# Altium PCB SEEED ORDER METER (BOOTSTRAP).PcbDoc (part 2 of 3)
Units mm, origin at the board's own origin, x right, y up, seen from the top; angles counter-clockwise.
Board outline 150 x 100 mm, 2 copper layers (Top Layer, Bottom Layer); 267 components, 189 nets, 839 pads, 266 vias.
Unrouted connection lines stored in the file: 4.
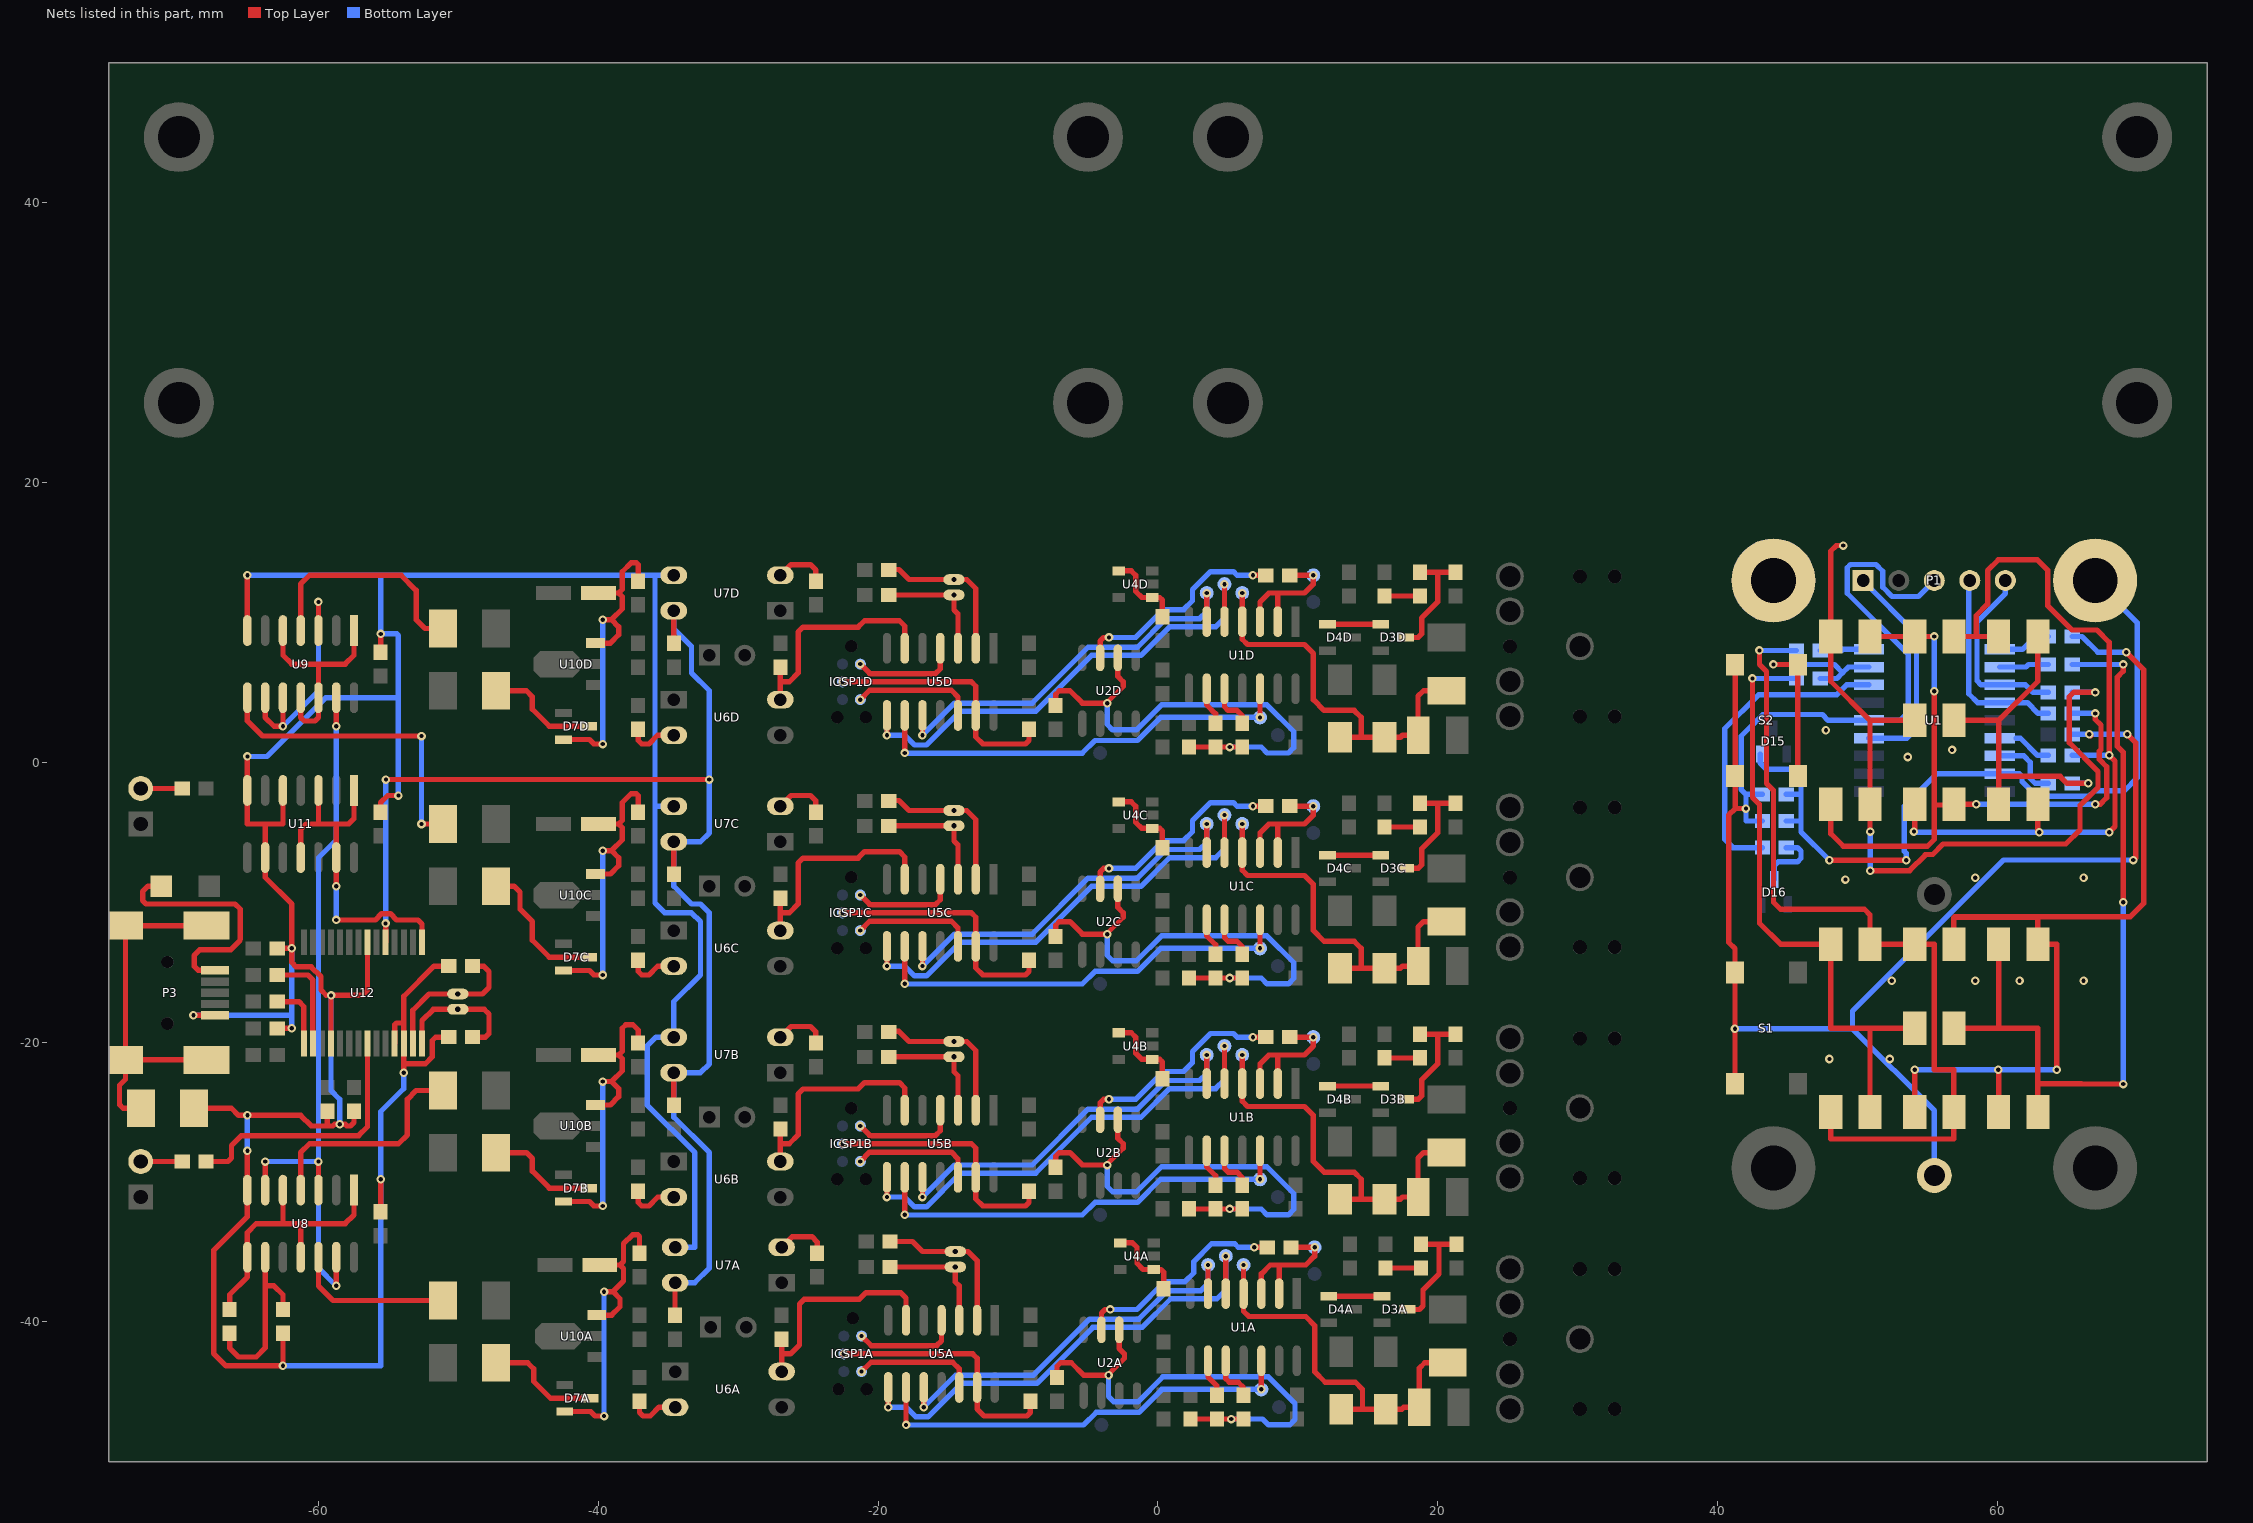
[diagram p2: the nets of this part, all layers, seen from the top]

## Via types
v1: diameter 0.61, hole 0.305, Top Layer to Bottom Layer, 266 vias

## Nets (pads, with @x,y where several pads share a name; then routed paths per layer and width w, separated by ;. In a path a pad name is that pad's centre, name@x,y a point inside that pad or via, vN(x,y) a via of type N, cw(c..) or ccw(c..) an arc to the next point about the centre after c; other vN are vias at no path point) (continued)
GND: BT1.2 C1.1 C2.2 C18.2 C19.1 C20.1 C21.1 C22.2 C23.2 C24.2 C25.2 D10.1@-62.974,-13.297 D11.1@-62.974,-19.012 L1.2 P1.3 P3.5 pad.0@44,13 R11.1 S1.1 S2.1 U1.5 U7A.3 U7B.3 U7C.3 U7D.3 U8.7 U9.7 U11.5 U11.7 U11.9 U12.7 U12.18 U12.25 U12.26 | length 404.9
  Top Layer w0.381: v1(-68.955,-18.072) P3.5@-67.409,-18.072 ; L1.2@-68.904,-24.727 -66.237,-24.727 -65.729,-25.235 v1(-65.094,-25.235) -61.284,-25.235 -60.522,-25.997 -59.379,-25.997 ; v1(-65.094,-27.775) U8.7@-65.094,-30.582 -65.094,-32.474 -67.507,-34.887 -67.507,-42.253 -66.618,-43.142 v1(-62.554,-43.142) C18.2@-62.554,-40.817 ; v1(-65.094,0.419) U11.7@-65.094,-2.007 -65.094,-4.407 -63.824,-4.407 ; U9.7@-65.094,9.423 v1(-65.094,13.373) ; D11.1@-62.974,-19.012 v1(-61.919,-19.012) ; D10.1@-62.974,-13.297 v1(-61.919,-13.297) ; U11.5@-62.554,-2.007 -62.554,-4.407 -63.824,-4.407 ; -59.458,-16.65 -59.83,-16.278 -59.83,-15.322 -60.534,-14.618 -61.614,-14.618 -61.919,-14.313 v1(-61.919,-13.297) ; C23.2@-59.379,-24.942 -59.379,-25.997 ; U12.18@-59.114,-20.097 v1(-59.114,-16.661) -59.103,-16.65 -56.839,-16.65 -56.514,-16.325 U12.7@-56.514,-12.847 ; C22.2@-57.474,-24.942 -57.474,-25.743 -57.728,-25.997 -57.982,-25.997 -58.109,-25.87 v1(-58.49,-25.87) -58.871,-25.87 -58.998,-25.997 -59.379,-25.997 ; C20.1@-55.569,-32.132 v1(-55.569,-29.807) ; C19.1@-55.569,-3.557 -55.569,-2.883 -55.061,-2.375 v1(-54.299,-2.375) ; C21.1@-55.569,7.873 v1(-55.569,9.182) ; U12.25@-54.564,-20.097 -54.564,-18.769 -54.426,-18.631 -53.914,-18.631 ; v1(-53.918,-22.187) -53.918,-20.101 U12.26@-53.914,-20.097 -53.914,-18.631 ; -53.791,-21.552 -52.382,-21.552 -51.886,-21.056 -51.886,-19.901 -51.632,-19.647 C24.2@-50.704,-19.647 ; C25.2@-50.704,-14.567 -51.759,-14.567 -53.914,-16.722 -53.914,-18.631 ; S1.1@41.25,-22.975 v1(41.25,-19.049) S1.1@41.25,-15.025 41.25,-13.308 40.801,-12.86 40.801,-3.776 41.276,-3.301 ; S2.1@41.25,6.975 41.276,6.949 41.276,-3.301 ; v1(42.038,-3.301) 41.276,-3.301 ; v1(66.582,2) v1@66.676,1.906 ; v1(69.301,2) 69.895,1.406 69.895,-6.813 v1(69.724,-6.984) ; -63.824,-4.407 U11.9@-63.824,-6.807 -63.824,-8.217 -61.919,-10.122 v1(-61.919,-13.297)
  Bottom Layer w0.381: v1(-68.955,-18.072) -61.97,-18.072 -61.919,-18.123 ; v1(-65.094,-27.775) v1(-65.094,-25.235) ; v1(-65.094,0.419) -63.697,0.419 -59.506,4.61 -54.299,4.61 ; v1(-65.094,13.373) -55.569,13.373 ; v1(-62.554,-43.142) -55.569,-43.142 v1(-55.569,-29.807) -55.569,-24.981 -53.918,-23.33 v1(-53.918,-22.187) ; v1(-61.919,-19.012) -61.919,-18.123 ; v1(-61.919,-13.297) -61.919,-18.123 ; v1(-59.114,-16.661) -59.114,-23.468 -58.49,-24.092 v1(-58.49,-25.87) ; v1(-54.299,-2.375) -54.299,4.61 ; U7C.3@-34.614,-3.137 -35.96,-3.137 ; U7D.3@-34.614,13.373 -35.884,13.373 ; U7A.3@-34.52,-34.666 -33.105,-34.666 -33.105,-27.902 -36.519,-24.488 -36.519,-20.282 -35.884,-19.647 U7B.3@-34.614,-19.647 -34.614,-17.107 -32.709,-15.202 -32.709,-11.392 -33.344,-10.757 -35.249,-10.757 -35.96,-10.046 -35.96,-3.137 ; v1(41.25,-19.049) 49.658,-19.049 ; R11.1@43.22,-4.19 42.038,-4.19 v1(42.038,-3.301) 42.038,-2.285 ; C2.2@43.22,-2.285 42.038,-2.285 ; BT1.2@55.5,-29.535 55.5,-24.891 49.658,-19.049 ; P1.3@55.5,13 54.356,11.856 52.486,11.856 51.816,12.526 51.816,13.66 51.333,14.144 49.507,14.144 49.276,13.913 49.276,12.087 53.646,7.717 53.646,3.608 53.038,3 U1.5@50.825,3 47.915,3 47.499,3.416 43.242,3.416 41.689,1.863 41.689,-1.936 42.038,-2.285 ; C1.1@65.35,2 v1(66.582,2) v1(69.301,2) ; v1(69.724,-6.984) 60.453,-6.984 49.658,-17.779 49.658,-19.049 ; -55.569,13.373 v1(-55.569,9.182) -54.426,9.182 -54.299,9.055 -54.299,4.61 ; -55.569,13.373 -35.884,13.373 ; -35.96,-3.137 -35.96,13.297 -35.884,13.373
  other v1: 48.007,-21.208 52.325,-21.208 52.452,-15.62 58.421,-15.62 61.596,-15.62 66.168,-15.62 49.15,-8.381 58.421,-8.254 66.168,-8.254 53.595,0.382 56.77,0.89 47.753,2.287
I_SAMPLEA: D1A.1 D2A.2 F1A.2 R7A.2 TP4A.1 U1A.4 | length 28.1
  Top Layer w0.381: v1(6.12,-35.936) U1A.4@6.12,-37.981 6.12,-39.238 6.501,-39.619 10.565,-39.619 11.2,-40.254 11.2,-43.556 11.962,-44.318 14.121,-44.318 14.629,-44.826 14.629,-46.248 ; D2A.2@13.105,-46.248 14.629,-46.248 ; R7A.2@20.725,-42.921 19.074,-42.921 18.69,-43.305 F1A.2@18.69,-46.096 17.575,-46.096 17.423,-46.248 D1A.1@16.28,-46.248 14.629,-46.248
I_SAMPLEB: D1B.1 D2B.2 F1B.2 R7B.2 TP4B.1 U1B.4 | length 28.1
  Top Layer w0.381: v1(6.026,-20.917) U1B.4@6.026,-22.962 6.026,-24.219 6.407,-24.6 10.471,-24.6 11.106,-25.235 11.106,-28.537 11.868,-29.299 14.027,-29.299 14.535,-29.807 14.535,-31.229 ; D2B.2@13.011,-31.229 14.535,-31.229 ; R7B.2@20.631,-27.902 18.98,-27.902 18.596,-28.286 F1B.2@18.596,-31.077 17.481,-31.077 17.329,-31.229 D1B.1@16.186,-31.229 14.535,-31.229
I_SAMPLEC: D1C.1 D2C.2 F1C.2 R7C.2 TP4C.1 U1C.4 | length 28.1
  Top Layer w0.381: v1(6.026,-4.407) U1C.4@6.026,-6.452 6.026,-7.709 6.407,-8.09 10.471,-8.09 11.106,-8.725 11.106,-12.027 11.868,-12.789 14.027,-12.789 14.535,-13.297 14.535,-14.719 ; D2C.2@13.011,-14.719 14.535,-14.719 ; R7C.2@20.631,-11.392 18.98,-11.392 18.596,-11.776 F1C.2@18.596,-14.567 17.481,-14.567 17.329,-14.719 D1C.1@16.186,-14.719 14.535,-14.719
I_SAMPLED: D1D.1 D2D.2 F1D.2 R7D.2 TP4D.1 U1D.4 | length 28.1
  Top Layer w0.381: v1(6.026,12.103) U1D.4@6.026,10.058 6.026,8.801 6.407,8.42 10.471,8.42 11.106,7.785 11.106,4.483 11.868,3.721 14.027,3.721 14.535,3.213 14.535,1.791 ; D2D.2@13.011,1.791 14.535,1.791 ; R7D.2@20.631,5.118 18.98,5.118 18.596,4.734 F1D.2@18.596,1.943 17.481,1.943 17.329,1.791 D1D.1@16.186,1.791 14.535,1.791
I_SELECT1: TP3A.1 U1A.5 U5A.8 | length 34.5
  Top Layer w0.381: v1(-19.28,-46.096) U5A.8@-19.28,-44.826 ; U1A.5@4.85,-37.981 v1(4.85,-35.301)
  Bottom Layer w0.381: v1(-19.28,-46.096) -18.01,-46.096 -17.311,-46.794 -16.451,-46.794 -14.05,-44.394 -8.652,-44.394 -4.652,-40.394 -1.13,-40.394 0.914,-38.349 4.215,-38.349 4.85,-37.714 v1(4.85,-35.301)
I_SELECT2: TP3B.1 U1B.5 U5B.8 | length 34.5
  Top Layer w0.381: v1(-19.374,-31.077) U5B.8@-19.374,-29.807 ; U1B.5@4.756,-22.962 v1(4.756,-20.282)
  Bottom Layer w0.381: v1(-19.374,-31.077) -18.104,-31.077 -17.405,-31.775 -16.545,-31.775 -14.144,-29.375 -8.746,-29.375 -4.746,-25.375 -1.224,-25.375 0.82,-23.33 4.121,-23.33 4.756,-22.695 v1(4.756,-20.282)
I_SELECT3: TP3C.1 U1C.5 U5C.8 | length 34.5
  Top Layer w0.381: v1(-19.374,-14.567) U5C.8@-19.374,-13.297 ; U1C.5@4.756,-6.452 v1(4.756,-3.772)
  Bottom Layer w0.381: v1(-19.374,-14.567) -18.104,-14.567 -17.405,-15.265 -16.545,-15.265 -14.144,-12.865 -8.746,-12.865 -4.746,-8.865 -1.224,-8.865 0.82,-6.82 4.121,-6.82 4.756,-6.185 v1(4.756,-3.772)
I_SELECT4: TP3D.1 U1D.5 U5D.8 | length 34.5
  Top Layer w0.381: v1(-19.374,1.943) U5D.8@-19.374,3.213 ; U1D.5@4.756,10.058 v1(4.756,12.738)
  Bottom Layer w0.381: v1(-19.374,1.943) -18.104,1.943 -17.405,1.245 -16.545,1.245 -14.144,3.645 -8.746,3.645 -4.746,7.645 -1.224,7.645 0.82,9.69 4.121,9.69 4.756,10.325 v1(4.756,12.738)
ICSP_CLCKA: ICSP1A.5 U5A.12 | length 8.8
  Top Layer w0.381: v1(-21.185,-43.556) -20.517,-42.888 -14.675,-42.888 -14.2,-43.363 U5A.12@-14.2,-44.686
ICSP_CLCKB: ICSP1B.5 U5B.12 | length 8.8
  Top Layer w0.381: v1(-21.279,-28.537) -20.611,-27.869 -14.769,-27.869 -14.294,-28.344 U5B.12@-14.294,-29.667
ICSP_CLCKC: ICSP1C.5 U5C.12 | length 8.8
  Top Layer w0.381: v1(-21.279,-12.027) -20.611,-11.359 -14.769,-11.359 -14.294,-11.834 U5C.12@-14.294,-13.157
ICSP_CLCKD: ICSP1D.5 U5D.12 | length 8.8
  Top Layer w0.381: v1(-21.279,4.483) -20.611,5.151 -14.769,5.151 -14.294,4.676 U5D.12@-14.294,3.353
ICSP_DATAA: ICSP1A.4 R17A.2 U5A.13 | length 18.2
  Top Layer w0.381: v1(-22.455,-42.286) -13.245,-42.286 -12.93,-42.601 U5A.13@-12.93,-44.686 -12.93,-46.223 -12.422,-46.731 -9.374,-46.731 -9.12,-46.477 R17A.2@-9.12,-45.676
ICSP_DATAB: ICSP1B.4 R17B.2 U5B.13 | length 18.2
  Top Layer w0.381: v1(-22.549,-27.267) -13.339,-27.267 -13.024,-27.582 U5B.13@-13.024,-29.667 -13.024,-31.204 -12.516,-31.712 -9.468,-31.712 -9.214,-31.458 R17B.2@-9.214,-30.657
ICSP_DATAC: ICSP1C.4 R17C.2 U5C.13 | length 18.2
  Top Layer w0.381: v1(-22.549,-10.757) -13.339,-10.757 -13.024,-11.072 -13.024,-12.027 U5C.13@-13.024,-13.157 -13.024,-14.694 -12.516,-15.202 -9.468,-15.202 -9.214,-14.948 R17C.2@-9.214,-14.147
ICSP_DATAD: ICSP1D.4 R17D.2 U5D.13 | length 18.2
  Top Layer w0.381: v1(-22.549,5.753) -13.339,5.753 -13.024,5.438 -13.024,4.483 U5D.13@-13.024,3.353 -13.024,1.816 -12.516,1.308 -9.468,1.308 -9.214,1.562 R17D.2@-9.214,2.363
ICSP_VPP: P1.1 U1.4 | length 15.9
  Bottom Layer w0.381: P1.1@50.42,13 50.42,12.955 54.23,9.145 54.23,2.414 53.546,1.73 U1.4@50.825,1.73
ICSP_VPPA: ICSP1A.1 U5A.4 | length 7.6
  Top Layer w0.381: v1(-21.185,-41.016) -20.499,-41.702 -15.818,-41.702 -15.47,-41.354 U5A.4@-15.47,-39.886
ICSP_VPPB: ICSP1B.1 U5B.4 | length 7.6
  Top Layer w0.381: v1(-21.279,-25.997) -20.593,-26.683 -15.912,-26.683 -15.564,-26.335 U5B.4@-15.564,-24.867
ICSP_VPPC: ICSP1C.1 U5C.4 | length 7.6
  Top Layer w0.381: v1(-21.279,-9.487) -20.593,-10.173 -15.912,-10.173 -15.564,-9.825 U5C.4@-15.564,-8.357
ICSP_VPPD: ICSP1D.1 U5D.4 | length 7.6
  Top Layer w0.381: v1(-21.279,7.023) -20.593,6.337 -15.912,6.337 -15.564,6.685 U5D.4@-15.564,8.153
K_010A: TP1A.1 U1A.6 U5A.10 | length 28.6
  Top Layer w0.381: v1(-16.74,-46.096) U5A.10@-16.74,-44.826 ; U1A.6@3.58,-37.981 v1(3.58,-35.936)
  Bottom Layer w0.381: v1(-16.74,-46.096) -14.454,-43.81 -8.894,-43.81 -4.894,-39.809 -1.372,-39.809 0.672,-37.765 3.072,-37.765 3.58,-37.257 v1(3.58,-35.936)
K_010B: TP1B.1 U1B.6 U5B.10 | length 28.6
  Top Layer w0.381: v1(-16.834,-31.077) U5B.10@-16.834,-29.807 ; U1B.6@3.486,-22.962 v1(3.486,-20.917)
  Bottom Layer w0.381: v1(-16.834,-31.077) -14.548,-28.791 -8.988,-28.791 -4.988,-24.79 -1.466,-24.79 0.578,-22.746 2.978,-22.746 3.486,-22.238 v1(3.486,-20.917)
K_010C: TP1C.1 U1C.6 U5C.10 | length 28.6
  Top Layer w0.381: v1(-16.834,-14.567) U5C.10@-16.834,-13.297 ; U1C.6@3.486,-6.452 v1(3.486,-4.407)
  Bottom Layer w0.381: v1(-16.834,-14.567) -14.548,-12.281 -8.988,-12.281 -4.988,-8.28 -1.466,-8.28 0.578,-6.236 2.978,-6.236 3.486,-5.728 v1(3.486,-4.407)
K_010D: TP1D.1 U1D.6 U5D.10 | length 28.6
  Top Layer w0.381: v1(-16.834,1.943) U5D.10@-16.834,3.213 ; U1D.6@3.486,10.058 v1(3.486,12.103)
  Bottom Layer w0.381: v1(-16.834,1.943) -14.548,4.229 -8.988,4.229 -4.988,8.23 -1.466,8.23 0.578,10.274 2.978,10.274 3.486,10.782 v1(3.486,12.103)
K_100A: TP2A.1 U1A.12 U5A.9 | length 31
  Top Layer w0.381: v1(-18.01,-47.366) U5A.9@-18.01,-44.826 ; v1(7.39,-44.826) U1A.12@7.39,-42.781
  Bottom Layer w0.381: v1(-18.01,-47.366) -17.997,-47.379 -5.317,-47.379 -4.41,-46.472 -1.368,-46.472 0.278,-44.826 v1(7.39,-44.826)
K_100B: TP2B.1 U1B.12 U5B.9 | length 31
  Top Layer w0.381: v1(-18.104,-32.347) U5B.9@-18.104,-29.807 ; v1(7.296,-29.807) U1B.12@7.296,-27.762
  Bottom Layer w0.381: v1(-18.104,-32.347) -18.091,-32.36 -5.411,-32.36 -4.504,-31.453 -1.462,-31.453 0.184,-29.807 v1(7.296,-29.807)
K_100C: TP2C.1 U1C.12 U5C.9 | length 31
  Top Layer w0.381: v1(-18.104,-15.837) U5C.9@-18.104,-13.297 ; v1(7.296,-13.297) U1C.12@7.296,-11.252
  Bottom Layer w0.381: v1(-18.104,-15.837) -18.091,-15.85 -5.411,-15.85 -4.504,-14.943 -1.462,-14.943 0.184,-13.297 v1(7.296,-13.297)
K_100D: TP2D.1 U1D.12 U5D.9 | length 31
  Top Layer w0.381: v1(-18.104,0.673) U5D.9@-18.104,3.213 ; v1(7.296,3.213) U1D.12@7.296,5.258
  Bottom Layer w0.381: v1(-18.104,0.673) -18.091,0.66 -5.411,0.66 -4.504,1.567 -1.462,1.567 0.184,3.213 v1(7.296,3.213)
LED_0: R1.1 S2.2 U1.8 | length 18.7
  Top Layer w0.381: v1(44,7) S2.2@45.725,7 ; S2.2@45.75,-0.975 S2.2@45.75,6.975
  Bottom Layer w0.381: v1(44,7) 48.355,7 48.95,6.405 ; R1.1@47.35,6 48.545,6 48.95,6.405 ; U1.8@50.825,6.81 49.355,6.81 48.95,6.405
LED_1: R2.1 U1.9 | length 3.5
  Bottom Layer w0.381: R2.1@47.35,8 48.894,8 48.974,8.08 U1.9@50.825,8.08
LED_2: R3.1 U1.10 | length 3.9
  Bottom Layer w0.381: U1.10@60.175,8.08 61.801,8.08 62.721,9 R3.1@63.65,9
LED_3: R4.1 U1.11 | length 3.6
  Bottom Layer w0.381: U1.11@60.175,6.81 62.055,6.81 62.245,7 R4.1@63.65,7
LED_4: P1.5 R5.1 U1.12 | length 13.4
  Bottom Layer w0.381: P1.5@60.58,13 60.58,12.066 58.548,10.034 58.548,5.843 58.851,5.54 U1.12@60.175,5.54 62.026,5.54 62.566,5 R5.1@63.65,5
LED_5: P1.4 R6.1 U1.13 | length 14.4
  Bottom Layer w0.381: P1.4@58.04,13 57.964,12.924 57.964,4.903 58.597,4.27 U1.13@60.175,4.27 62.153,4.27 62.923,3.5 R6.1@63.65,3.5
NetC3_1: C3.1 D16.3 | length 4.8
  Bottom Layer w0.381: D16.3@44.07,-8.37 44.07,-7.365 44.324,-7.111 45.721,-7.111 45.975,-6.857 45.975,-6.349 45.721,-6.095 C3.1@44.92,-6.095
NetC10A_2: C10A.2 D7A.3 | length 7.6
  Top Layer w0.381: C10A.2@-46.585,-42.921 -45.061,-42.921 -44.629,-43.353 -44.629,-44.245 -43.413,-45.461 D7A.3@-40.605,-45.461
NetC10B_2: C10B.2 D7B.3 | length 7.6
  Top Layer w0.381: C10B.2@-46.679,-27.902 -45.155,-27.902 -44.723,-28.334 -44.723,-29.226 -43.507,-30.442 D7B.3@-40.699,-30.442
NetC10C_2: C10C.2 D7C.3 | length 10.2
  Top Layer w0.381: C10C.2@-47.314,-8.852 -46.044,-8.852 -45.612,-9.284 -45.612,-10.491 -44.723,-11.38 -44.723,-12.716 -43.507,-13.932 D7C.3@-40.699,-13.932
NetC10D_2: C10D.2 D7D.3 | length 7.6
  Top Layer w0.381: C10D.2@-46.679,5.118 -45.155,5.118 -44.723,4.686 -44.723,3.794 -43.507,2.578 D7D.3@-40.699,2.578
NetC11A_1: C11A.1 C12A.2 D7A.2 U10A.1 | length 23.7
  Top Layer w0.381: D7A.2@-42.405,-46.411 -40.555,-46.411 -40.235,-46.731 v1(-39.6,-46.731) ; U10A.1@-40.117,-39.516 -39.053,-39.516 -38.457,-38.92 -38.457,-38.349 -38.965,-37.841 ; C11A.1@-39.905,-35.936 -38.457,-35.936 ; v1(-39.6,-37.841) -38.965,-37.841 ; C12A.2@-37.06,-35.086 -37.06,-33.904 -37.187,-33.777 -37.568,-33.777 -38.203,-34.412 -38.203,-35.682 -38.457,-35.936 ; -38.965,-37.841 -38.203,-37.079 -38.203,-36.19 -38.457,-35.936
  Bottom Layer w0.381: v1(-39.6,-46.731) v1(-39.6,-37.841)
NetC11B_1: C11B.1 C12B.2 D7B.2 U10B.1 | length 33.1
  Top Layer w0.381: D7B.2@-42.499,-31.392 -40.649,-31.392 ; U10B.1@-40.211,-24.497 -39.147,-24.497 -38.551,-23.901 -38.551,-23.33 -39.059,-22.822 ; C11B.1@-39.999,-20.917 -38.551,-20.917 ; v1(-39.694,-31.712) -40.329,-31.712 ; v1(-39.694,-22.822) -39.059,-22.822 ; C12B.2@-37.154,-20.067 -37.154,-19.139 -37.535,-18.758 -38.043,-18.758 -38.297,-19.012 -38.297,-20.663 -38.551,-20.917 ; -40.649,-31.392 -40.329,-31.712 ; -40.649,-31.392 -40.329,-31.712 ; -39.059,-22.822 -38.297,-22.06 -38.297,-21.171 -38.551,-20.917
  Bottom Layer w0.381: v1(-39.694,-31.712) v1(-39.694,-22.822) v1(-39.694,-31.712)
  other v1: -39.694,-31.712 -39.694,-22.822
NetC11C_1: C11C.1 C12C.2 D7C.2 U10C.1 | length 33
  Top Layer w0.381: D7C.2@-42.499,-14.882 -40.649,-14.882 ; U10C.1@-40.211,-7.987 -39.147,-7.987 -38.551,-7.391 -38.551,-6.82 -39.059,-6.312 ; C11C.1@-39.999,-4.407 -38.551,-4.407 ; v1(-39.694,-15.202) -40.329,-15.202 ; v1(-39.694,-6.312) -39.059,-6.312 ; C12C.2@-37.154,-3.557 -37.154,-2.375 -37.281,-2.248 -37.662,-2.248 -38.297,-2.883 -38.297,-4.153 -38.551,-4.407 ; -40.649,-14.882 -40.329,-15.202 ; -40.649,-14.882 -40.329,-15.202 ; -39.059,-6.312 -38.297,-5.55 -38.297,-4.661 -38.551,-4.407
  Bottom Layer w0.381: v1(-39.694,-15.202) v1(-39.694,-6.312) v1(-39.694,-15.202)
  other v1: -39.694,-15.202 -39.694,-6.312
NetC11D_1: C11D.1 C12D.2 D7D.2 U10D.1 | length 23.7
  Top Layer w0.381: D7D.2@-42.499,1.628 -40.649,1.628 -40.329,1.308 v1(-39.694,1.308) ; U10D.1@-40.211,8.523 -39.147,8.523 -38.551,9.119 -38.551,9.69 -39.059,10.198 ; C11D.1@-39.999,12.103 -38.551,12.103 ; v1(-39.694,10.198) -39.059,10.198 ; C12D.2@-37.154,12.953 -37.154,14.135 -37.281,14.262 -37.662,14.262 -38.297,13.627 -38.297,12.357 -38.551,12.103 ; -39.059,10.198 -38.297,10.96 -38.297,11.849 -38.551,12.103
  Bottom Layer w0.381: v1(-39.694,1.308) v1(-39.694,10.198)
NetC18_1: C18.1 R23.2 U8.9 | length 13.2
  Top Layer w0.381: R23.2@-66.364,-40.817 -66.364,-41.872 -65.729,-42.507 -64.459,-42.507 -63.824,-41.872 -63.824,-37.427 ; U8.9@-63.824,-35.382 -63.824,-37.427 ; C18.1@-62.554,-39.117 -62.554,-38.062 -63.189,-37.427 -63.824,-37.427
NetC24_1: C24.1 U12.28 Y2.2 | length 9.6
  Top Layer w0.381: U12.28@-52.614,-20.097 -52.614,-18.47 -51.801,-17.657 Y2.2@-50.049,-17.657 -48.161,-17.657 -47.822,-17.996 -47.822,-19.393 -48.076,-19.647 C24.1@-49.004,-19.647
NetC25_1: C25.1 U12.27 Y2.1 | length 11
  Top Layer w0.381: U12.27@-53.264,-20.097 -53.264,-17.723 -52.098,-16.557 Y2.1@-50.049,-16.557 -48.288,-16.557 -47.822,-16.091 -47.822,-14.948 -48.203,-14.567 C25.1@-49.004,-14.567
NetD1_1: D1.1 D2.2 D4.2 D5.1 R2.2 | length 61.1
  Top Layer w0.381: v1(43,8) 43,7 43.5,6.5 43.5,-1.5 44,-2 44,-10 44.5,-10.5 50.5,-10.5 50.9,-10.9 D1.1@50.9,-13 D4.2@54.1,-13 55.5,-13 55.5,-21.97 56.9,-21.97 D5.1@56.9,-25 56.897,-25 56.897,-26.923 48.1,-26.923 D2.2@48.1,-25
  Bottom Layer w0.381: v1(43,8) R2.2@45.65,8
NetD1_2: D1.2 D2.1 D3.2 R1.2 | length 44.6
  Top Layer w0.381: v1(42.5,6) 42.5,-2.5 43,-3 43,-11.5 44.5,-13 D1.2@48.1,-13 48.1,-19 50.9,-19 ; D2.1@50.9,-25 50.9,-19 ; D3.2@54.1,-19 50.9,-19
  Bottom Layer w0.381: v1(42.5,6) R1.2@45.65,6
NetD3_1: D3.1 D6.1 D7.2 R4.2 | length 58.1
  Top Layer w0.381: D3.1@56.9,-19 60.1,-19 ; D7.2@60.1,-13 60.1,-19 ; D6.1@62.9,-25 62.9,-22.986 ; v1(69,-23) 66.014,-23 66,-22.986 62.9,-22.986 ; v1(69,-10) 69,0.728 68.584,1.144 68.584,6.097 69,6.513 v1(69,7) ; 60.1,-19 62.9,-19 62.9,-22.986
  Bottom Layer w0.381: R4.2@65.35,7 v1(69,7) ; v1(69,-23) v1(69,-10)
NetD3A_1: D3A.1 D4A.1 | length 3.8
  Top Layer w0.381: D4A.1@12.205,-38.161 D3A.1@16.015,-38.161
NetD3A_2: D3A.3 R6A.2 R8A.1 | length 8.7
  Top Layer w0.381: D3A.3@17.815,-39.111 18.693,-39.111 18.947,-38.857 18.947,-37.714 20.09,-36.571 20.09,-34.451 ; R8A.1@18.82,-34.451 20.09,-34.451 ; R6A.2@21.36,-34.451 20.09,-34.451
NetD3B_1: D3B.1 D4B.1 | length 3.8
  Top Layer w0.381: D4B.1@12.111,-23.142 D3B.1@15.921,-23.142
NetD3B_2: D3B.3 R6B.2 R8B.1 | length 8.7
  Top Layer w0.381: D3B.3@17.721,-24.092 18.599,-24.092 18.853,-23.838 18.853,-22.695 19.996,-21.552 19.996,-19.432 ; R8B.1@18.726,-19.432 19.996,-19.432 ; R6B.2@21.266,-19.432 19.996,-19.432
NetD3C_1: D3C.1 D4C.1 | length 3.8
  Top Layer w0.381: D4C.1@12.111,-6.632 D3C.1@15.921,-6.632
NetD3C_2: D3C.3 R6C.2 R8C.1 | length 8.7
  Top Layer w0.381: D3C.3@17.721,-7.582 18.599,-7.582 18.853,-7.328 18.853,-6.185 19.996,-5.042 19.996,-2.922 ; R8C.1@18.726,-2.922 19.996,-2.922 ; R6C.2@21.266,-2.922 19.996,-2.922
NetD3D_1: D3D.1 D4D.1 | length 3.8
  Top Layer w0.381: D4D.1@12.111,9.878 D3D.1@15.921,9.878
NetD3D_2: D3D.3 R6D.2 R8D.1 | length 8.7
  Top Layer w0.381: D3D.3@17.721,8.928 18.599,8.928 18.853,9.182 18.853,10.325 19.996,11.468 19.996,13.588 ; R8D.1@18.726,13.588 19.996,13.588 ; R6D.2@21.266,13.588 19.996,13.588
NetD4_1: D4.1 D5.2 D6.2 D7.1 R3.2 | length 73.2
  Top Layer w0.381: D5.2@54.1,-25 54.1,-21.97 v1(54.103,-21.97) ; D4.1@56.9,-13 56.9,-11.094 ; v1(60.072,-21.97) 60.1,-21.97 D6.2@60.1,-25 ; v1(64.263,-21.97) 64.263,-13 D7.1@62.9,-13 62.9,-11.094 56.9,-11.094 ; v1(69.216,7.875) 70.479,6.612 70.479,-10.069 69.5,-11.048 56.946,-11.048 56.9,-11.094
  Bottom Layer w0.381: v1(54.103,-21.97) v1(60.072,-21.97) v1(64.263,-21.97) ; R3.2@65.35,9 66.059,9 67.184,7.875 v1(69.216,7.875)
NetD8_1: D8.1@50.9,9 D9.2@48.1,-3 D11.2@54.1,9 D12.1 R6.2 | length 49.8
  Top Layer w0.381: D9.2@48.1,-3 48.1,-5.1 49,-6 55,-6 55.5,-5.5 55.5,-3.047 ; D8.1@50.9,9 D11.2@54.1,9 v1(55.5,9) ; v1(55.5,5.081) 55.5,-3.047 ; v1(58.5,-3) D12.1@56.9,-3 56.853,-3.047 55.5,-3.047 ; v1(67,-3) 67.358,-3 67.832,-2.526 67.832,-0.319 67.301,0.211 67.301,0.789 67.416,0.904 67.416,2.668 67,3.084 v1(67,3.5)
  Bottom Layer w0.381: v1(55.5,5.081) v1(55.5,9) ; v1(58.5,-3) v1(67,-3) ; R6.2@65.35,3.5 v1(67,3.5)
NetD8_2: D8.2 D9.1@50.9,-3 D10.2@54.1,3 R5.2 R24.2 | length 62
  Top Layer w0.381: D8.2@-72.721,-28.539 R24.2@-69.756,-28.539 ; v1(49,15.5) 48.5,15.5 48.1,15.1 D8.2@48.1,9 48.1,5.8 50.9,3 ; v1(50.928,-7.746) 53.742,-7.746 54.865,-6.623 54.865,-6.584 55.392,-6.584 56.135,-5.841 64.898,-5.841 65.914,-4.825 65.914,-3.074 67.198,-1.789 67.198,-0.649 65.152,1.398 65.152,4.7 65.452,5 v1(67,5) ; v1(50.928,-4.952) 50.9,-4.924 D9.1@50.9,-3 50.9,3 ; D10.2@54.1,3 50.9,3
  Bottom Layer w0.381: v1(50.928,-7.746) v1(50.928,-4.952) ; R5.2@65.35,5 v1(67,5)
NetD9_2: D9.2@-72.721,-1.869 R27.2 | length 3
  Top Layer w0.381: D9.2@-72.721,-1.869 -69.756,-1.869 R27.2@-69.754,-1.867
NetD10_1: D10.1@56.9,3 D13.1 D14.2 R8.2 | length 24.1
  Top Layer w0.381: D10.1@56.9,3 60.1,3 ; D14.2@60.1,-3 60.1,-1 ; D13.1@62.9,9 62.9,5.8 60.1,3 ; v1(66.5,-1.5) 65,-1.5 64.5,-1 60.1,-1 ; 60.1,-1 60.1,3
  Bottom Layer w0.381: R8.2@65.35,-1.5 v1(66.5,-1.5)
NetD11_1: D11.1@56.9,9 D12.2 D13.2 D14.1 R7.2 | length 55.8
  Top Layer w0.381: v1(54.048,-4.952) 54.103,-4.952 54.103,-3 D12.2@54.1,-3 ; D11.1@56.9,9 58.5,9 ; D13.2@60.1,9 58.5,9 ; v1@62.9,-4.952 D14.1@62.9,-3 ; v1(68,-5) 68.416,-4.584 68.416,0.084 v1(68,0.5) 68,8.583 67.12,9.462 65.342,9.462 63.606,11.199 63.606,13.739 62.866,14.479 60.072,14.479 59.31,13.717 59.31,11.31 58.5,10.5 58.5,9
  Bottom Layer w0.381: v1(54.048,-4.952) 54,-5 v1(63,-5) v1(68,-5) ; R7.2@65.35,0.5 v1(68,0.5)
NetF2_1: F2.1 P3.1 | length 17.7
  Top Layer w0.381: F2.1@-71.253,-8.852 -72.206,-8.852 -72.587,-9.233 -72.587,-9.868 -72.333,-10.122 -65.983,-10.122 -65.602,-10.503 -65.602,-12.603 -65.618,-12.618 -65.618,-12.741 -66.269,-13.392 -68.491,-13.392 -68.904,-13.805 -68.904,-14.567 -68.599,-14.872 P3.1@-67.409,-14.872
NetL1_1: L1.1 P3.0 | length 26.2
  Top Layer w0.381: L1.1@-72.714,-24.727 -73.984,-24.727 -74.238,-24.473 -74.238,-23.087 -73.809,-22.658 P3.0@-73.809,-21.272 ; P3.0@-68.009,-21.272 P3.0@-73.809,-21.272 ; P3.0@-68.009,-11.672 P3.0@-73.809,-11.672 P3.0@-73.809,-21.272
NetR1A_2: R1A.2 R2A.2 R3A.2 R4A.1 U2A.2 | length 35.2
  Top Layer w0.381: R4A.1@-7.215,-43.976 -7.215,-43.175 -6.961,-42.921 -6.199,-42.921 -5.31,-43.81 v1(-3.532,-43.81) -3.532,-43.746 -2.389,-42.603 -2.389,-42.286 -2.77,-41.905 U2A.2@-2.77,-40.571 ; R1A.2@2.31,-46.946 v1(5.231,-46.946) R3A.2@6.12,-46.946
  Bottom Layer w0.381: v1(-3.532,-43.81) -3.532,-45.334 -3.151,-45.715 -1.437,-45.715 0.346,-43.932 7.893,-43.932 9.803,-45.842 9.803,-46.985 9.422,-47.366 7.898,-47.366 7.478,-46.946 v1(5.231,-46.946)
NetR1B_2: R1B.2 R2B.2 R3B.2 R4B.1 U2B.2 | length 35.2
  Top Layer w0.381: R4B.1@-7.309,-28.957 -7.309,-28.156 -7.055,-27.902 -6.293,-27.902 -5.404,-28.791 v1(-3.626,-28.791) -3.626,-28.727 -2.483,-27.584 -2.483,-27.267 -2.864,-26.886 U2B.2@-2.864,-25.552 ; R1B.2@2.216,-31.927 v1(5.137,-31.927) R3B.2@6.026,-31.927
  Bottom Layer w0.381: v1(-3.626,-28.791) -3.626,-30.315 -3.245,-30.696 -1.531,-30.696 0.252,-28.913 7.799,-28.913 9.709,-30.823 9.709,-31.966 9.328,-32.347 7.804,-32.347 7.384,-31.927 v1(5.137,-31.927)
NetR1C_2: R1C.2 R2C.2 R3C.2 R4C.1 U2C.2 | length 35.2
  Top Layer w0.381: R4C.1@-7.309,-12.447 -7.309,-11.646 -7.055,-11.392 -6.293,-11.392 -5.404,-12.281 v1(-3.626,-12.281) -3.626,-12.217 -2.483,-11.074 -2.483,-10.757 -2.864,-10.376 U2C.2@-2.864,-9.042 ; R1C.2@2.216,-15.417 v1(5.137,-15.417) R3C.2@6.026,-15.417
  Bottom Layer w0.381: v1(-3.626,-12.281) -3.626,-13.805 -3.245,-14.186 -1.531,-14.186 0.252,-12.403 7.799,-12.403 9.709,-14.313 9.709,-15.456 9.328,-15.837 7.804,-15.837 7.384,-15.417 v1(5.137,-15.417)
NetR1D_2: R1D.2 R2D.2 R3D.2 R4D.1 U2D.2 | length 35.2
  Top Layer w0.381: R4D.1@-7.309,4.063 -7.309,4.864 -7.055,5.118 -6.293,5.118 -5.404,4.229 v1(-3.626,4.229) -3.626,4.293 -2.483,5.436 -2.483,5.753 -2.864,6.134 U2D.2@-2.864,7.468 ; R1D.2@2.216,1.093 R2D.2@4.121,1.093 v1(5.137,1.093) R3D.2@6.026,1.093
  Bottom Layer w0.381: v1(-3.626,4.229) -3.626,2.705 -3.245,2.324 -1.531,2.324 0.252,4.107 7.799,4.107 9.709,2.197 9.709,1.054 9.328,0.673 7.804,0.673 7.384,1.093 v1(5.137,1.093)
NetR2A_1: R2A.1 U1A.9 | length 2.7
  Top Layer w0.381: U1A.9@3.58,-42.781 3.58,-43.937 4.215,-44.572 R2A.1@4.215,-45.246
NetR2B_1: R2B.1 U1B.9 | length 2.7
  Top Layer w0.381: U1B.9@3.486,-27.762 3.486,-28.918 4.121,-29.553 R2B.1@4.121,-30.227
NetR2C_1: R2C.1 U1C.9 | length 2.7
  Top Layer w0.381: U1C.9@3.486,-11.252 3.486,-12.408 4.121,-13.043 R2C.1@4.121,-13.717
NetR2D_1: R2D.1 U1D.9 | length 2.7
  Top Layer w0.381: U1D.9@3.486,5.258 3.486,4.102 4.121,3.467 R2D.1@4.121,2.793
NetR3A_1: R3A.1 U1A.10 | length 3.4
  Top Layer w0.381: U1A.10@4.85,-42.781 4.85,-44.064 5.104,-44.318 5.739,-44.318 6.12,-44.699 R3A.1@6.12,-45.246
NetR3B_1: R3B.1 U1B.10 | length 3.4
  Top Layer w0.381: U1B.10@4.756,-27.762 4.756,-29.045 5.01,-29.299 5.645,-29.299 6.026,-29.68 R3B.1@6.026,-30.227
NetR3C_1: R3C.1 U1C.10 | length 3.4
  Top Layer w0.381: U1C.10@4.756,-11.252 4.756,-12.535 5.01,-12.789 5.645,-12.789 6.026,-13.17 R3C.1@6.026,-13.717
NetR3D_1: R3D.1 U1D.10 | length 3.4
  Top Layer w0.381: U1D.10@4.756,5.258 4.756,3.975 5.01,3.721 5.645,3.721 6.026,3.34 R3D.1@6.026,2.793
NetR5A_2: R5A.2 U2A.3 | length 15.7
  Top Layer w0.381: U2A.3@-4.04,-40.571 -4.04,-39.365 -3.786,-39.111 v1(-3.405,-39.111) ; v1(6.882,-34.666) R5A.2@7.81,-34.666
  Bottom Layer w0.381: v1(-3.405,-39.111) -1.5,-39.111 0.487,-37.124 1.929,-37.124 2.564,-36.489 2.564,-35.688 3.845,-34.407 5.48,-34.407 5.739,-34.666 v1(6.882,-34.666)
NetR5B_2: R5B.2 U2B.3 | length 15.7
  Top Layer w0.381: U2B.3@-4.134,-25.552 -4.134,-24.346 -3.88,-24.092 v1(-3.499,-24.092) ; v1(6.788,-19.647) R5B.2@7.716,-19.647
  Bottom Layer w0.381: v1(-3.499,-24.092) -1.594,-24.092 0.393,-22.105 1.835,-22.105 2.47,-21.47 2.47,-20.669 3.751,-19.388 5.386,-19.388 5.645,-19.647 v1(6.788,-19.647)
NetR5C_2: R5C.2 U2C.3 | length 15.7
  Top Layer w0.381: U2C.3@-4.134,-9.042 -4.134,-7.836 -3.88,-7.582 v1(-3.499,-7.582) ; v1(6.788,-3.137) R5C.2@7.716,-3.137
  Bottom Layer w0.381: v1(-3.499,-7.582) -1.594,-7.582 0.393,-5.595 1.835,-5.595 2.47,-4.96 2.47,-4.159 3.751,-2.878 5.386,-2.878 5.645,-3.137 v1(6.788,-3.137)
NetR5D_2: R5D.2 U2D.3 | length 15.7
  Top Layer w0.381: U2D.3@-4.134,7.468 -4.134,8.674 -3.88,8.928 v1(-3.499,8.928) ; v1(6.788,13.373) R5D.2@7.716,13.373
  Bottom Layer w0.381: v1(-3.499,8.928) -1.594,8.928 0.393,10.915 1.835,10.915 2.47,11.55 2.47,12.351 3.751,13.632 5.386,13.632 5.645,13.373 v1(6.788,13.373)
NetR7_1: R7.1 U1.15 | length 2.8
  Bottom Layer w0.381: 61.342,1.73 61.645,1.73 62.875,0.5 R7.1@63.65,0.5
NetR8_1: R8.1 U1.16 | length 5
  Bottom Layer w0.381: U1.16@60.175,0.46 61.899,0.46 62.358,0.001 62.358,-1.142 62.716,-1.5 R8.1@63.65,-1.5
NetR8A_2: R8A.2 R9A.1 | length 2.5
  Top Layer w0.381: R9A.1@16.28,-36.151 R8A.2@18.82,-36.151
NetR8B_2: R8B.2 R9B.1 | length 2.5
  Top Layer w0.381: R9B.1@16.186,-21.132 R8B.2@18.726,-21.132
NetR8C_2: R8C.2 R9C.1 | length 2.5
  Top Layer w0.381: R9C.1@16.186,-4.622 R8C.2@18.726,-4.622
NetR8D_2: R8D.2 R9D.1 | length 2.5
  Top Layer w0.381: R9D.1@16.186,11.888 R8D.2@18.726,11.888
NetR18A_1: R18A.1 U4A.1 U4A.4 | length 5.8
  Top Layer w0.381: U4A.4@-2.7,-34.351 -1.815,-34.351 -1.5,-34.666 -1.5,-35.809 -1.058,-36.251 0.212,-36.251 0.405,-36.444 R18A.1@0.405,-37.626
NetR18B_1: R18B.1 U4B.1 U4B.4 | length 5.8
  Top Layer w0.381: U4B.4@-2.794,-19.332 -1.909,-19.332 -1.594,-19.647 -1.594,-20.79 -1.152,-21.232 0.118,-21.232 0.311,-21.425 R18B.1@0.311,-22.607
NetR18C_1: R18C.1 U4C.1 U4C.4 | length 5.8
  Top Layer w0.381: U4C.4@-2.794,-2.822 -1.909,-2.822 -1.594,-3.137 -1.594,-4.28 -1.152,-4.722 0.118,-4.722 0.311,-4.915 R18C.1@0.311,-6.097
NetR18D_1: R18D.1 U4D.1 U4D.4 | length 5.8
  Top Layer w0.381: U4D.4@-2.794,13.688 -1.909,13.688 -1.594,13.373 -1.594,12.23 -1.152,11.788 U4D.1@-0.394,11.788 0.118,11.788 0.311,11.595 R18D.1@0.311,10.413
NetR20A_2: R20A.2 U6A.2 | length 3.7
  Top Layer w0.381: R20A.2@-37.06,-45.676 -37.06,-46.477 -36.806,-46.731 -36.298,-46.731 -35.663,-46.096 U6A.2@-34.52,-46.096
NetR20B_2: R20B.2 U6B.2 | length 3.7
  Top Layer w0.381: R20B.2@-37.154,-30.657 -37.154,-31.458 -36.9,-31.712 -36.392,-31.712 -35.757,-31.077 U6B.2@-34.614,-31.077
NetR20C_2: R20C.2 U6C.2 | length 3.7
  Top Layer w0.381: R20C.2@-37.154,-14.147 -37.154,-14.948 -36.9,-15.202 -36.392,-15.202 -35.757,-14.567 U6C.2@-34.614,-14.567
NetR20D_2: R20D.2 U6D.2 | length 3.7
  Top Layer w0.381: R20D.2@-37.154,2.363 -37.154,1.562 -36.9,1.308 -36.392,1.308 -35.757,1.943 U6D.2@-34.614,1.943
NetR22A_1: R22A.1 U7A.2 | length 3.8
  Top Layer w0.381: U7A.2@-26.9,-34.666 -26.138,-33.904 -24.741,-33.904 -24.36,-34.285 R22A.1@-24.36,-35.086
NetR22B_1: R22B.1 U7B.2 | length 3.8
  Top Layer w0.381: U7B.2@-26.994,-19.647 -26.232,-18.885 -24.835,-18.885 -24.454,-19.266 R22B.1@-24.454,-20.067
NetR22C_1: R22C.1 U7C.2 | length 3.8
  Top Layer w0.381: U7C.2@-26.994,-3.137 -26.232,-2.375 -24.835,-2.375 -24.454,-2.756 R22C.1@-24.454,-3.557
NetR22D_1: R22D.1 U7D.2 | length 3.8
  Top Layer w0.381: U7D.2@-26.994,13.373 -26.232,14.135 -24.835,14.135 -24.454,13.754 R22D.1@-24.454,12.953
NetR23_1: R23.1 U8.1 U8.5 U8.8 U8.11 | length 20.7
  Top Layer w0.381: R23.1@-66.364,-39.117 -66.364,-38.062 -65.094,-36.792 U8.8@-65.094,-35.382 -65.094,-33.617 -64.459,-32.982 -62.554,-32.982 ; U8.5@-62.554,-30.582 -62.554,-32.982 ; U8.11@-61.284,-35.382 -61.284,-32.982 ; U8.1@-57.474,-30.582 -57.474,-32.347 -58.109,-32.982 -61.284,-32.982 ; -62.554,-32.982 -61.284,-32.982
NetR25_2: R25.2 U12.16 | length 7.2
  Top Layer w0.381: R25.2@-62.974,-15.202 -60.776,-15.202 -60.414,-15.564 U12.16@-60.414,-20.097
NetR26_2: R26.2 U12.15 | length 4.7
  Top Layer w0.381: R26.2@-62.974,-17.107 -61.411,-17.107 -61.064,-17.454 U12.15@-61.064,-20.097
NetU8_3: U8.3 U8.6 U8.13 U9.13 | length 53
  Top Layer w0.381: U8.6@-63.824,-30.582 v1(-63.824,-28.537) ; U8.3@-60.014,-30.582 v1(-60.014,-28.537) ; v1(-58.744,-37.427) U8.13@-58.744,-35.382 ; v1(-58.744,2.578) U9.13@-58.744,4.623
  Bottom Layer w0.381: v1(-63.824,-28.537) v1(-60.014,-28.537) ; v1(-58.744,-37.427) -60.014,-36.157 v1(-60.014,-28.537) ; v1(-58.744,2.578) -58.744,-5.55 -60.014,-6.82 v1(-60.014,-28.537)
NetU9_1: U9.1 U9.5 U9.11 U9.12 | length 15.8
  Top Layer w0.381: U9.5@-62.554,9.423 -62.554,7.658 -61.919,7.023 -60.014,7.023 ; U9.11@-61.284,4.623 -61.284,3.213 -61.03,2.959 -60.268,2.959 -60.014,3.213 U9.12@-60.014,4.623 -60.014,7.023 ; U9.1@-57.474,9.423 -57.474,7.658 -58.109,7.023 -60.014,7.023
NetU9_3: U9.3 U9.9 U9.10 | length 17
  Top Layer w0.381: U9.9@-63.824,4.623 -63.824,3.213 -63.189,2.578 v1(-62.554,2.578) U9.10@-62.554,4.623 ; U9.3@-60.014,9.423 v1(-60.014,11.468)
  Bottom Layer w0.381: v1(-62.554,2.578) -60.014,5.118 v1(-60.014,11.468)
OSC1A: C17A.1 U5A.2 Y1A.2 | length 11.1
  Top Layer w0.381: C17A.1@-19.159,-34.252 -17.554,-34.252 -16.834,-34.972 -14.529,-34.972 Y1A.2@-14.509,-34.992 ; Y1A.2@-14.489,-34.972 -13.574,-34.972 -12.93,-35.616 U5A.2@-12.93,-39.886
OSC1B: C17B.1 U5B.2 Y1B.2 | length 10.5
  Top Layer w0.381: C17B.1@-18.726,-19.233 -18.516,-19.233 -17.795,-19.953 -14.623,-19.953 Y1B.2@-14.603,-19.973 ; Y1B.2@-14.583,-19.953 -13.668,-19.953 -13.024,-20.597 U5B.2@-13.024,-24.867
OSC1C: C17C.1 U5C.2 Y1C.2 | length 10.5
  Top Layer w0.381: C17C.1@-18.726,-2.723 -18.516,-2.723 -17.795,-3.443 -14.623,-3.443 Y1C.2@-14.603,-3.463 ; Y1C.2@-14.583,-3.443 -13.668,-3.443 -13.024,-4.087 U5C.2@-13.024,-8.357
OSC1D: C17D.1 U5D.2 Y1D.2 | length 11.1
  Top Layer w0.381: C17D.1@-19.253,13.787 -18.516,13.787 -17.795,13.067 -14.623,13.067 Y1D.2@-14.603,13.047 ; Y1D.2@-14.583,13.067 -13.668,13.067 -13.024,12.423 U5D.2@-13.024,8.153
OSC2A: C16A.1 U5A.3 Y1A.1 | length 8.5
  Top Layer w0.381: C16A.1@-19.159,-36.072 Y1A.1@-14.489,-36.072 -14.489,-37.138 -14.2,-37.427 U5A.3@-14.2,-39.746
OSC2B: C16B.1 U5B.3 Y1B.1 | length 8.5
  Top Layer w0.381: C16B.1@-19.253,-21.053 Y1B.1@-14.583,-21.053 -14.583,-22.119 -14.294,-22.408 U5B.3@-14.294,-24.727
OSC2C: C16C.1 U5C.3 Y1C.1 | length 8.5
  Top Layer w0.381: C16C.1@-19.253,-4.543 Y1C.1@-14.583,-4.543 -14.583,-5.609 -14.294,-5.898 U5C.3@-14.294,-8.217
OSC2D: C16D.1 U5D.3 Y1D.1 | length 8.5
  Top Layer w0.381: C16D.1@-19.253,11.967 Y1D.1@-14.583,11.967 -14.583,10.901 -14.294,10.612 U5D.3@-14.294,8.293
PUMP: C3.2 U1.7 | length 22.5
  Bottom Layer w0.381: C3.2@43.22,-6.095 41.095,-6.095 40.521,-5.521 40.521,2.421 42.927,4.827 48.515,4.827 49.228,5.54 U1.7@50.825,5.54
RX_TTLA: R19A.2 U5A.6 U6A.4 | length 16.3
  Top Layer w0.381: U6A.4@-26.9,-43.556 -26.9,-42.286 ; R19A.2@-26.9,-41.231 -26.9,-42.286 ; U5A.6@-18.01,-39.746 -18.01,-38.295 -18.391,-37.914 -20.876,-37.914 -21.336,-38.374 -25.274,-38.374 -25.63,-38.73 -25.63,-41.651 -26.265,-42.286 -26.9,-42.286
RX_TTLB: R19B.2 U5B.6 U6B.4 | length 16.3
  Top Layer w0.381: U6B.4@-26.994,-28.537 -26.994,-27.267 ; R19B.2@-26.994,-26.212 -26.994,-27.267 ; U5B.6@-18.104,-24.727 -18.104,-23.276 -18.485,-22.895 -20.97,-22.895 -21.43,-23.355 -25.368,-23.355 -25.724,-23.711 -25.724,-26.632 -26.359,-27.267 -26.994,-27.267
RX_TTLC: R19C.2 U5C.6 U6C.4 | length 16.3
  Top Layer w0.381: U6C.4@-26.994,-12.027 -26.994,-10.757 ; R19C.2@-26.994,-9.702 -26.994,-10.757 ; U5C.6@-18.104,-8.217 -18.104,-6.766 -18.485,-6.385 -20.97,-6.385 -21.43,-6.845 -25.368,-6.845 -25.724,-7.201 -25.724,-10.122 -26.359,-10.757 -26.994,-10.757
RX_TTLD: R19D.2 U5D.6 U6D.4 | length 16.3
  Top Layer w0.381: U6D.4@-26.994,4.483 -26.994,5.753 ; R19D.2@-26.994,6.808 -26.994,5.753 ; U5D.6@-18.104,8.293 -18.104,9.744 -18.485,10.125 -20.97,10.125 -21.43,9.665 -25.368,9.665 -25.724,9.309 -25.724,6.388 -26.359,5.753 -26.994,5.753
RXLED: R24.1 U12.22 | length 19
  Top Layer w0.381: R24.1@-68.054,-28.537 -66.491,-28.537 -66.237,-28.283 -66.237,-27.394 -65.526,-26.683 -57.144,-26.683 -56.514,-26.053 U12.22@-56.514,-20.097
SAMPLEA: R5A.1 TP6A.1 U1A.2 U1A.3 | length 10.1
  Top Layer w0.381: U1A.3@7.39,-37.981 7.39,-36.571 8.025,-35.936 8.66,-35.936 ; U1A.2@8.66,-37.981 8.66,-35.936 ; R5A.1@9.51,-34.666 v1(11.2,-34.666) 11.2,-35.301 10.565,-35.936 8.66,-35.936
SAMPLEB: R5B.1 TP6B.1 U1B.2 U1B.3 | length 10.1
  Top Layer w0.381: U1B.3@7.296,-22.962 7.296,-21.552 7.931,-20.917 8.566,-20.917 ; U1B.2@8.566,-22.962 8.566,-20.917 ; R5B.1@9.416,-19.647 v1(11.106,-19.647) 11.106,-20.282 10.471,-20.917 8.566,-20.917
SAMPLEC: R5C.1 TP6C.1 U1C.2 U1C.3 | length 10.1
  Top Layer w0.381: U1C.3@7.296,-6.452 7.296,-5.042 7.931,-4.407 8.566,-4.407 ; U1C.2@8.566,-6.452 8.566,-4.407 ; R5C.1@9.416,-3.137 v1(11.106,-3.137) 11.106,-3.772 10.471,-4.407 8.566,-4.407
SAMPLED: R5D.1 TP6D.1 U1D.2 U1D.3 | length 10.1
  Top Layer w0.381: U1D.3@7.296,10.058 7.296,11.468 7.931,12.103 8.566,12.103 ; U1D.2@8.566,10.058 8.566,12.103 ; R5D.1@9.416,13.373 v1(11.106,13.373) 11.106,12.738 10.471,12.103 8.566,12.103
SINK_1: C14A.1 U8.12 | length 11.4
  Top Layer w0.381: U8.12@-60.014,-35.382 -60.014,-37.427 -58.965,-38.476 C14A.1@-51.124,-38.476
SINK_2: C14B.1 U8.4 | length 16.2
  Top Layer w0.381: U8.4@-61.284,-30.582 -61.284,-27.902 -60.649,-27.267 -54.299,-27.267 -53.664,-26.632 -53.664,-24.092 -53.029,-23.457 C14B.1@-51.124,-23.457
SINK_3: C14C.1 U9.8 | length 22.3
  Top Layer w0.381: U9.8@-65.094,4.623 -65.094,2.959 -64.014,1.88 v1(-52.648,1.88) ; v1(-52.648,-4.407) C14C.1@-51.124,-4.407
  Bottom Layer w0.381: v1(-52.648,-4.407) v1@-52.648,1.816
SINK_4: C14D.1 U9.4 | length 16.5
  Top Layer w0.381: U9.4@-61.284,9.423 -61.284,12.738 -60.649,13.373 -54.108,13.373 -53.029,12.294 -53.029,10.198 -52.394,9.563 C14D.1@-51.124,9.563
TOUCH: C2.1 D15.2 pad.0@67,13 R11.2 U1.17 | length 56.5
  Top Layer w0.381: v1(48,-7) v1(53.5,-7)
  Bottom Layer w0.381: D15.2@43.05,0.6 43.05,-0.05 43.5,-0.5 45.475,-0.5 45.975,-1 45.975,-2.285 ; R11.2@44.92,-4.19 45.785,-4.19 ; C2.1@44.92,-2.285 45.975,-2.285 ; v1(48,-7) 45.975,-4.975 45.975,-2.285 ; v1(53.5,-7) 53.5,-6.5 53.349,-6.35 53.349,-3.15 55.69,-0.81 U1.17@60.175,-0.81 61.569,-0.81 61.774,-1.015 61.774,-1.384 62.806,-2.416 66.572,-2.416 66.957,-2.031 69.089,-2.031 70,-1.12 70,10 pad.0@67,13
TTL_RX: R21A.2 R21B.2 R21C.2 R21D.2 U7A.4 U7B.4 U7C.4 U7D.4 U12.5 | length 101.7
  Top Layer w0.381: U12.5@-55.214,-12.847 v1(-55.214,-11.519) ; v1(-55.188,-1.232) v1(-32.074,-1.232) ; R21B.2@-34.614,-24.512 U7B.4@-34.614,-22.187 ; R21C.2@-34.614,-8.002 U7C.4@-34.614,-5.677 ; R21D.2@-34.614,8.508 U7D.4@-34.614,10.833 ; R21A.2@-34.52,-39.531 U7A.4@-34.52,-37.206
  Bottom Layer w0.381: v1(-55.214,-11.519) v1@-55.214,-1.258 ; U7D.4@-34.614,10.833 -34.614,9.563 -33.344,8.293 -33.344,6.388 -32.074,5.118 v1(-32.074,-1.232) -32.074,-5.042 -32.709,-5.677 U7C.4@-34.614,-5.677 -34.614,-8.852 -33.344,-10.122 -32.709,-10.122 -32.074,-10.757 -32.074,-21.552 -32.709,-22.187 U7B.4@-34.614,-22.187 -34.614,-25.362 -32.074,-27.902 -32.074,-36.157 -33.123,-37.206 U7A.4@-34.52,-37.206
TTL_TX: U11.1 U11.3 U11.11 U11.13 U12.1 | length 25.3
  Top Layer w0.381: U11.11@-61.284,-6.807 -61.284,-4.788 -60.903,-4.407 -60.014,-4.407 ; U11.3@-60.014,-2.007 -60.014,-4.407 ; v1(-58.744,-11.265) -55.952,-11.265 -55.95,-11.267 -55.503,-10.82 -54.87,-10.82 -54.426,-11.265 -52.902,-11.265 -52.614,-11.553 U12.1@-52.614,-12.847 ; v1(-58.744,-8.852) U11.13@-58.744,-6.807 -58.744,-4.407 ; U11.1@-57.474,-2.007 -57.474,-4.026 -57.855,-4.407 -58.744,-4.407 ; -60.014,-4.407 -58.744,-4.407
  Bottom Layer w0.381: v1(-58.744,-11.265) v1(-58.744,-8.852)